# KiCad board board.kicad_pcb (continued)
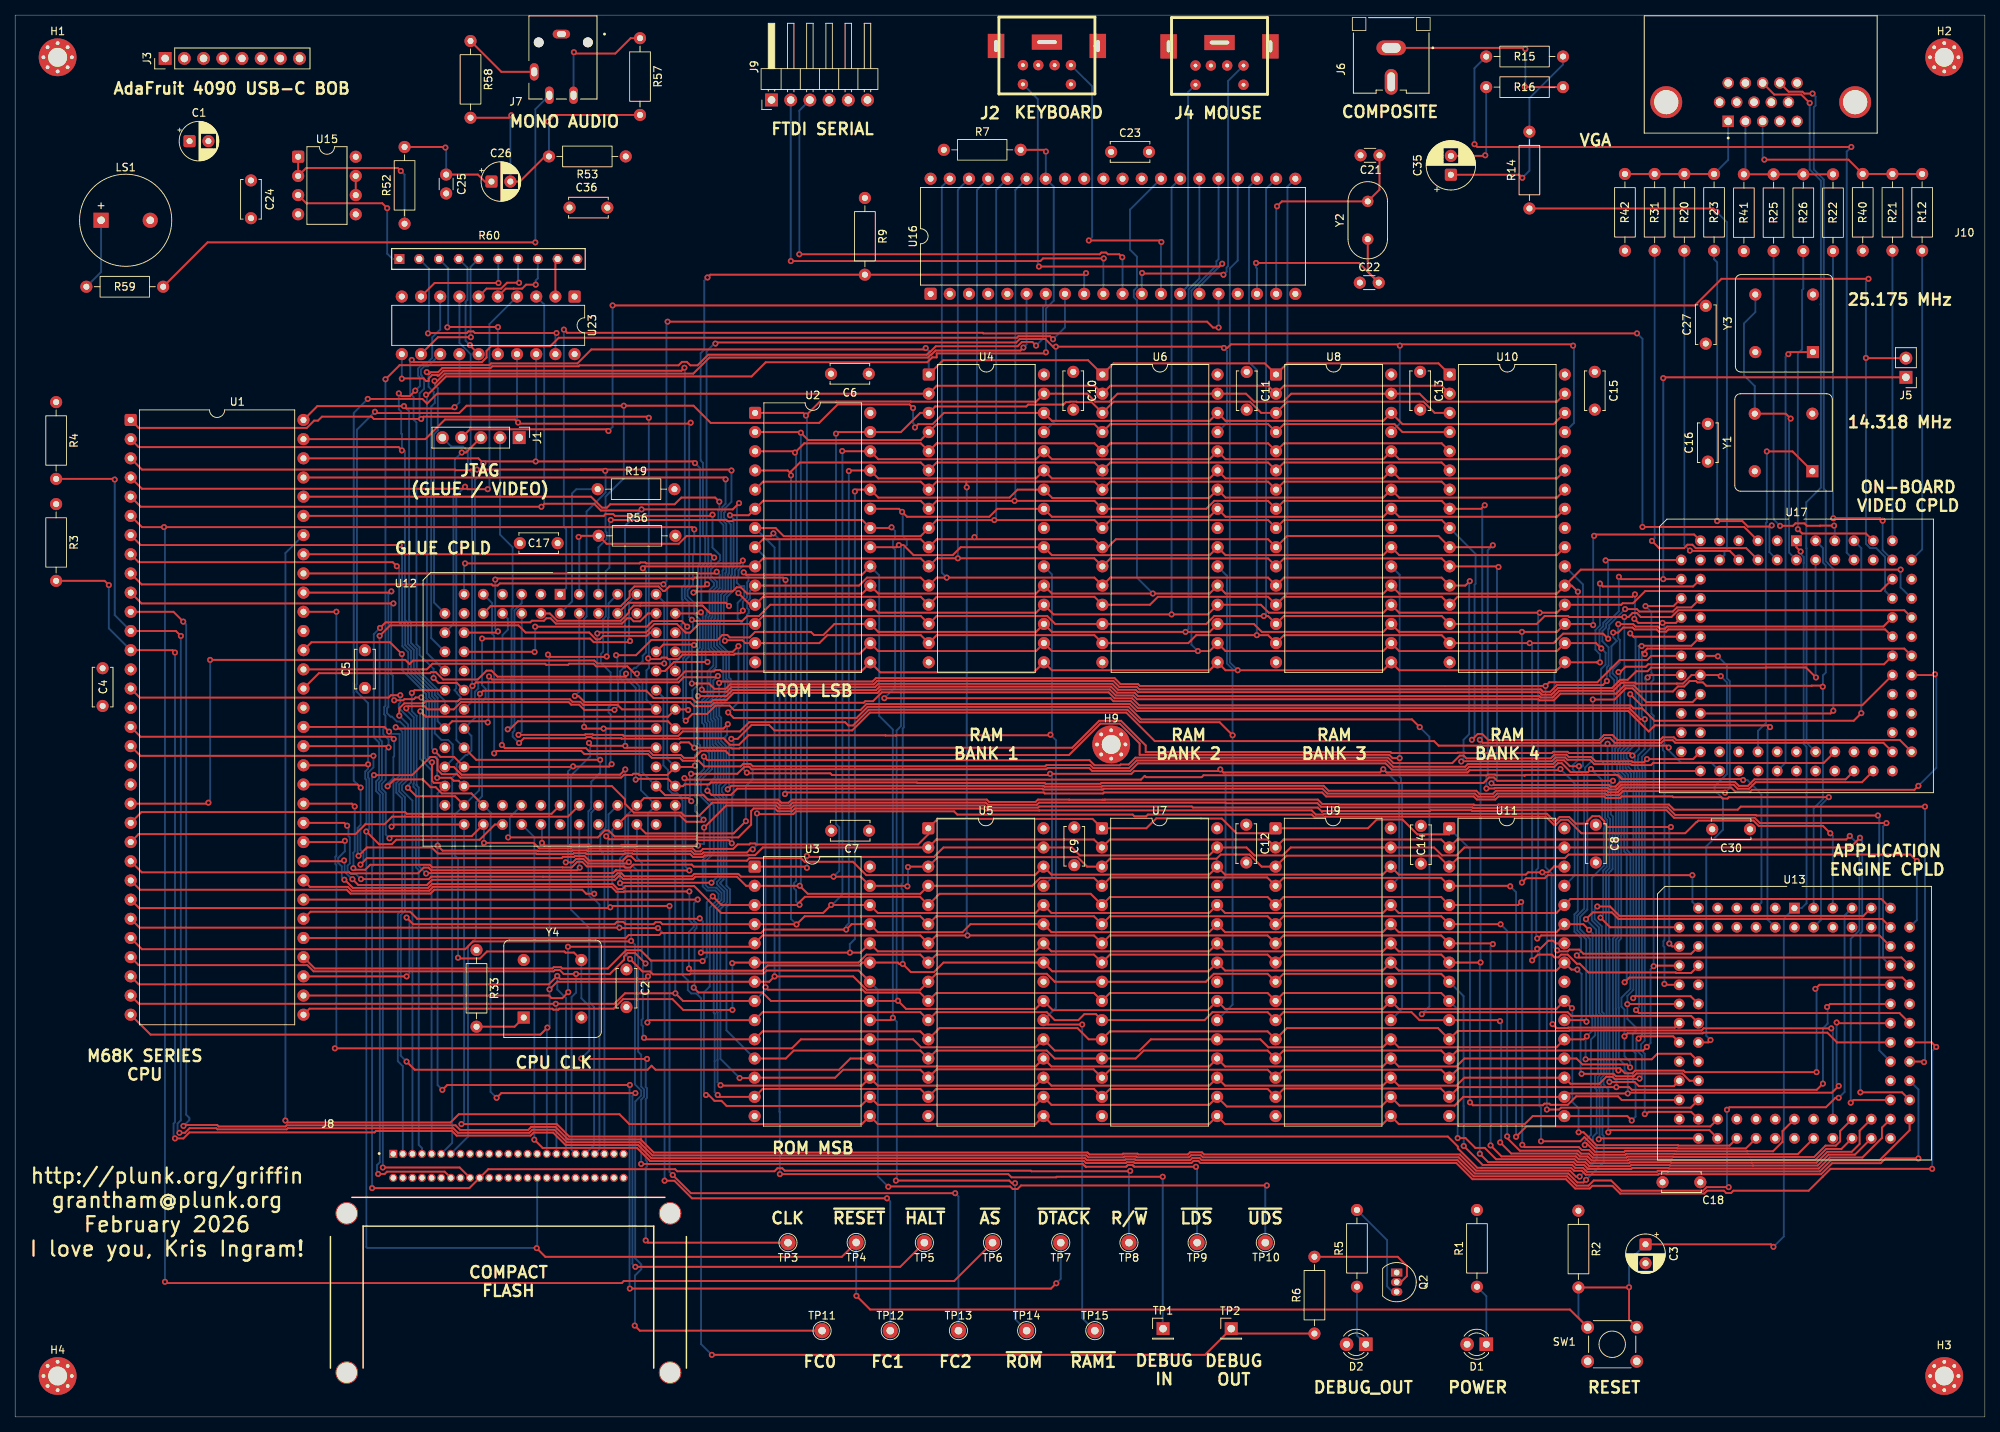
[diagram p0: board, top side]
## Footprints (pads in the part's own frame, mm; a bottom-side part is the same pattern mirrored in y, then rotated) (continued)
R_Axial_DIN0207_L6.3mm_D2.5mm_P10.16mm_Horizontal
  round 1.6 hole 0.8: 1(0,0) 2(10.16,0)
Resonator-2Pin_W10.0mm_H5.0mm
  round 1.5 hole 0.8: 1(0,0) 2(5,0)
SAMESKY_SJ3-35063B
  round 1.3 hole 1.3 unplated: (-3.5,1.1) (3,1.1)
  oval 2.3x1.15 hole 1.2x0.8: 1(0,0)
  oval 1.15x2.3 hole 0.8x1.2: 2(-1.6,8.1) 3(3.6,5) 4(1.6,8.1)
SAMTEC_CFT-125-01-L-D-RA-01-SL
  rect 1.061x1.061 hole 0.711: 01(-15.24,7.874)
  round 1.061 hole 0.711: 02(-13.97,7.874) 03(-12.7,7.874) 04(-11.43,7.874) 05(-10.16,7.874) 06(-8.89,7.874) 07(-7.62,7.874) 08(-6.35,7.874) 09(-5.08,7.874) 10(-3.81,7.874) 11(-2.54,7.874) 12(-1.27,7.874) 13(0,7.874) 14(1.27,7.874) 15(2.54,7.874) 16(3.81,7.874) 17(5.08,7.874) 18(6.35,7.874) 19(7.62,7.874) 20(8.89,7.874) 21(10.16,7.874) 22(11.43,7.874) 23(12.7,7.874) 24(13.97,7.874) 25(15.24,7.874) 26(-15.24,4.699) 27(-13.97,4.699) 28(-12.7,4.699) 29(-11.43,4.699) 30(-10.16,4.699) 31(-8.89,4.699) 32(-7.62,4.699) 33(-6.35,4.699) 34(-5.08,4.699) 35(-3.81,4.699) 36(-2.54,4.699) 37(-1.27,4.699) 38(0,4.699) 39(1.27,4.699) 40(2.54,4.699) 41(3.81,4.699) 42(5.08,4.699) 43(6.35,4.699) 44(7.62,4.699) 45(8.89,4.699) 46(10.16,4.699) 47(11.43,4.699) 48(12.7,4.699) 49(13.97,4.699) 50(15.24,4.699)
  round 2.972 hole 2.692: S1(-21.387,0) S2(21.387,0) S3(-21.387,-21.082) S4(21.387,-21.082)
SW_TH_Tactile_Omron_B3F-106x
  round 1.7 hole 1: 1(0,0) 1(6.5,0) 2(0,-4.5) 2(6.5,-4.5)
TestPoint_THTPad_D2.0mm_Drill1.0mm
  round 2 hole 1: 1(0,0)
TO-92_Inline
  rect 1.05x1.5 hole 0.75: 1(0,0)
  oval 1.05x1.5 hole 0.75: 2(1.27,0) 3(2.54,0)

## Nets
+5V: C1.1 C2.1 C4.1 C5.1 C6.1 C7.1 C8.1 C9.1 C10.1 C11.1 C12.1 C13.1 C14.1 C15.1 C16.1 C17.1 C18.1 C23.1 C24.1 C27.1 C30.1 C36.1 D1.2 D2.2 J2.4 J3.7 J4.4 J8.13 J8.36 J8.38 R2.1 R3.1 R4.1 R7.1 R9.1 R33.1 U1.14 U1.49 U2.28 U3.28 U4.32 U5.32 U6.32 U7.32 U8.32 U9.32 U10.32 U11.32 U12.3 U12.13 U12.26 U12.38 U12.43 U12.53 U12.66 U12.78 U13.3 U13.13 U13.26 U13.38 U13.43 U13.53 U13.66 U13.78 U15.8 U16.31 U16.40 U17.3 U17.13 U17.26 U17.38 U17.43 U17.53 U17.66 U17.78 U23.20 Y1.8 Y3.8 Y4.8
GND: C1.2 C2.2 C3.2 C4.2 C5.2 C6.2 C7.2 C8.2 C9.2 C10.2 C11.2 C12.2 C13.2 C14.2 C15.2 C16.2 C17.2 C18.2 C21.2 C22.1 C23.2 C24.2 C25.2 C27.2 C30.2 C36.2 H1.1 H2.1 H3.1 H4.1 H9.1 J1.1 J2.3 J2.7 J3.8 J4.3 J4.7 J6.2 J7.1 J8.01 J8.08 J8.09 J8.10 J8.11 J8.12 J8.14 J8.15 J8.16 J8.39 J8.50 J9.6 J10.5 J10.6 J10.7 J10.8 J10.10 J10.S1 J10.S2 LS1.2 Q2.1 R1.2 R19.2 R40.1 R41.1 R42.1 R53.1 R56.2 R60.10 SW1.1 U1.16 U1.53 U2.14 U3.14 U4.16 U4.24 U5.16 U5.24 U6.16 U6.24 U7.16 U7.24 U8.16 U8.24 U9.16 U9.24 U10.16 U10.24 U11.16 U11.24 U12.7 U12.19 U12.32 U12.42 U12.47 U12.59 U12.72 U12.82 U13.7 U13.19 U13.32 U13.42 U13.47 U13.59 U13.72 U13.82 U15.4 U15.5 U16.20 U17.7 U17.19 U17.32 U17.42 U17.47 U17.59 U17.72 U17.82 U23.1 U23.10 Y1.4 Y3.4 Y4.4
A1: J8.20 U1.29 U2.10 U3.10 U4.12 U5.12 U6.12 U7.12 U8.12 U9.12 U10.12 U11.12 U12.51 U13.48 U16.39 U17.48
A2: J8.19 U1.30 U2.9 U3.9 U4.11 U5.11 U6.11 U7.11 U8.11 U9.11 U10.11 U11.11 U12.55 U13.49 U16.38 U17.49
A3: J8.18 U1.31 U2.8 U3.8 U4.10 U5.10 U6.10 U7.10 U8.10 U9.10 U10.10 U11.10 U12.54 U13.51 U16.37 U17.51
A4: J8.17 U1.32 U2.7 U3.7 U4.9 U5.9 U6.9 U7.9 U8.9 U9.9 U10.9 U11.9 U12.79 U13.54 U16.36 U17.54
A5: U1.33 U2.6 U3.6 U4.8 U5.8 U6.8 U7.8 U8.8 U9.8 U10.8 U11.8 U12.80 U13.55 U16.35 U17.55
A6: U1.34 U2.5 U3.5 U4.7 U5.7 U6.7 U7.7 U8.7 U9.7 U10.7 U11.7 U13.52
A7: U1.35 U2.4 U3.4 U4.6 U5.6 U6.6 U7.6 U8.6 U9.6 U10.6 U11.6 U13.50
A8: U1.36 U2.3 U3.3 U4.5 U5.5 U6.5 U7.5 U8.5 U9.5 U10.5 U11.5 U13.45
A9: U1.37 U2.25 U3.25 U4.27 U5.27 U6.27 U7.27 U8.27 U9.27 U10.27 U11.27 U13.44
A10: U1.38 U2.24 U3.24 U4.26 U5.26 U6.26 U7.26 U8.26 U9.26 U10.26 U11.26 U13.39
A11: U1.39 U2.21 U3.21 U4.23 U5.23 U6.23 U7.23 U8.23 U9.23 U10.23 U11.23 U13.37
A12: U1.40 U2.23 U3.23 U4.25 U5.25 U6.25 U7.25 U8.25 U9.25 U10.25 U11.25 U13.29
A13: U1.41 U2.2 U3.2 U4.4 U5.4 U6.4 U7.4 U8.4 U9.4 U10.4 U11.4 U13.36
A14: U1.42 U2.26 U3.26 U4.28 U5.28 U6.28 U7.28 U8.28 U9.28 U10.28 U11.28 U13.75
A15: U1.43 U2.27 U3.27 U4.3 U5.3 U6.3 U7.3 U8.3 U9.3 U10.3 U11.3 U13.74
A16: U1.44 U2.1 U3.1 U4.31 U5.31 U6.31 U7.31 U8.31 U9.31 U10.31 U11.31 U13.56
A17: U1.45 U4.2 U5.2 U6.2 U7.2 U8.2 U9.2 U10.2 U11.2 U13.57
A18: U1.46 U4.30 U5.30 U6.30 U7.30 U8.30 U9.30 U10.30 U11.30 U12.81 U13.31
A19: U1.47 U4.1 U5.1 U6.1 U7.1 U8.1 U9.1 U10.1 U11.1 U12.35 U13.30
A20: U1.48 U12.33 U13.58
A21: U1.50 U12.56 U13.28
A22: U1.51 U12.57 U13.60
A23: U1.52 U12.31 U13.61
AUDIO0: R60.9 U23.2
AUDIO1: R60.8 U23.5
AUDIO2: R60.7 U23.6
AUDIO3: R60.6 U23.9
AUDIO4: R60.5 U23.12
AUDIO5: R60.4 U23.15
AUDIO6: R60.3 U23.16
AUDIO7: R60.2 U23.19
AUDIO_LE: U12.68 U23.11
CPST_CLK_ENB: U17.40 Y1.1
CPST_PIXEL: R15.1 U17.80
D0: J8.21 U1.5 U2.11 U4.13 U6.13 U8.13 U10.13 U12.61 U13.18 U16.21 U17.18 U23.3
D1: J8.22 U1.4 U2.12 U4.14 U6.14 U8.14 U10.14 U12.27 U13.68 U16.22 U17.68 U23.4
D2: J8.23 U1.3 U2.13 U4.15 U6.15 U8.15 U10.15 U12.63 U13.17 U16.23 U17.17 U23.7
D3: J8.02 U1.2 U2.15 U4.17 U6.17 U8.17 U10.17 U12.24 U13.15 U16.24 U17.15 U23.8
D4: J8.03 U1.1 U2.16 U4.18 U6.18 U8.18 U10.18 U12.65 U13.12 U16.25 U17.12 U23.13
D5: J8.04 U1.64 U2.17 U4.19 U6.19 U8.19 U10.19 U12.22 U13.11 U16.26 U17.11 U23.14
D6: J8.05 U1.63 U2.18 U4.20 U6.20 U8.20 U10.20 U12.64 U13.73 U16.27 U17.73 U23.17
D7: J8.06 U1.62 U2.19 U4.21 U6.21 U8.21 U10.21 U12.25 U13.70 U16.28 U17.70 U23.18
D8: U1.61 U3.11 U5.13 U7.13 U9.13 U11.13 U13.16 U17.16
D9: U1.60 U3.12 U5.14 U7.14 U9.14 U11.14 U13.69 U17.69
D10: U1.59 U3.13 U5.15 U7.15 U9.15 U11.15 U13.67 U17.67
D11: U1.58 U3.15 U5.17 U7.17 U9.17 U11.17 U13.20 U17.20
D12: U1.57 U3.16 U5.18 U7.18 U9.18 U11.18 U13.65 U17.65
D13: U1.56 U3.17 U5.19 U7.19 U9.19 U11.19 U13.24 U17.24
D14: U1.55 U3.18 U5.20 U7.20 U9.20 U11.20 U13.63 U17.63
D15: U1.54 U3.19 U5.21 U7.21 U9.21 U11.21 U13.27 U17.27
DEBUG_IN: R56.1 TP1.1 U12.83
DEBUG_OUT: R6.1 TP2.1 U12.67
ENGINE_TCK: U12.39 U13.62
ENGINE_TDI: U12.40 U13.14
ENGINE_TDO: U12.41 U13.71
ENGINE_TMS: U12.70 U13.23
FC0: TP11.1 U1.28 U12.52 U13.33 U17.33
FC1: TP12.1 U1.27 U12.49 U13.34 U17.34
FC2: TP13.1 U1.26 U12.50 U13.35 U17.35
IO_RESET: R9.2 U12.69 U16.9
JTAG_TCK: J1.2 U12.62 U17.62
JTAG_TDI: J1.3 U12.14
JTAG_TDO: J1.4 J5.2 U17.71
JTAG_TMS: J1.5 U12.23 U17.23
KBD_CLK: J2.5 U16.13
KBD_DATA: J2.1 U16.15
MOUSE_CLK: J4.5 U16.12
MOUSE_DATA: J4.1 U16.14
PIXEL_CLK: U17.2 Y1.5 Y3.5
R/~{W}: J8.35 TP8.1 U1.9 U12.58 U13.25 U16.16 U17.25
S2: J8.S2
S3: J8.S3
S4: J8.S4
SYSCLK: TP3.1 U1.15 U12.34 U13.83 U17.83 Y4.5
UART_RX: J9.3 U16.11
UART_TX: J9.2 U16.10
VGA_B0: R12.2 U17.74
VGA_B1: R21.2 U17.75
VGA_BLUE: J10.3 R12.1 R21.1 R40.2
VGA_CLK_ENB: U17.41 Y3.1
VGA_G0: R22.2 U17.76
VGA_G1: R26.2 U17.77
VGA_G2: R25.2 U17.81
VGA_GREEN: J10.2 R22.1 R25.1 R26.1 R41.2
VGA_HSYNC: J10.13 U17.46
VGA_R0: R23.2 U17.4
VGA_R1: R20.2 U17.8
VGA_R2: R31.2 U17.6
VGA_RED: J10.1 R20.1 R23.1 R31.1 R42.2
VGA_VSYNC: J10.14 U17.29
VIDEO_STALL: U12.84 U17.79
VIDEO_TDI: J5.1 U12.71 U17.14
~{AS}: TP6.1 U1.6 U12.60 U13.21 U17.21
~{BERR}: U1.22 U12.44
~{BGACK}: R4.2 U1.12 U13.77
~{BG}: U1.11 U13.76
~{BR}: R3.2 U1.13 U13.79
~{CF_CS0}: J8.32 U12.76
~{CF_CS1}: J8.07 U12.77
~{CPST_SYNC}: R14.1 U17.10
~{DTACK}: TP7.1 U1.10 U12.30 U13.81
~{ENGINE_DTACK}: U12.17 U13.4
~{ENGINE_IRQ}: U12.20 U13.5
~{ENGINE_SELECT}: U12.15 U13.84
~{HALT}: TP5.1 U1.17 U12.36
~{IO_DTACK_MISO}: U12.16 U16.7
~{IO_IACK_SCK}: U12.21 U16.8
~{IO_IRQ}: R7.2 U12.18 U16.34
~{IO_SELECT_MOSI}: U12.12 U16.6
~{IPL0}: U1.25 U12.48
~{IPL1}: U1.24 U12.45
~{IPL2}: U1.23 U12.46
~{LDS}: TP9.1 U1.8 U2.22 U12.29 U13.64 U17.64
~{RAM_SELECT_1}: TP15.1 U4.22 U5.22 U12.5
~{RAM_SELECT_2}: U6.22 U7.22 U12.6
~{RAM_SELECT_3}: U8.22 U9.22 U12.8
~{RAM_SELECT_4}: U10.22 U11.22 U12.9
~{RESET}: C3.1 J8.41 R2.2 SW1.2 TP4.1 U1.18 U12.37 U13.1 U17.1
~{ROM_SELECT}: TP14.1 U2.20 U3.20 U12.4
~{R}/W: J8.34 U12.73
~{UDS}: TP10.1 U1.7 U3.22 U12.28 U13.22 U17.22
~{VIDEO_IRQ}: U12.1 U17.5
~{VIDEO_SELECT}: U12.74 U17.84
~{VPA}: U1.21 U12.75
~{WRITE_HI}: U5.29 U7.29 U9.29 U11.29 U12.11
~{WRITE_LO}: U4.29 U6.29 U8.29 U10.29 U12.10
Net-(C25-Pad1): C25.1 C26.1 R52.2
Net-(C26-Pad2): C26.2 R53.2 R57.2 R58.2
Net-(C35-Pad1): C35.1 R14.2 R15.2
Net-(C35-Pad2): C35.2 R16.1
Net-(D1-K): D1.1 R1.1
Net-(D2-K): D2.1 R5.1
Net-(J6-In): J6.1 R16.2
Net-(J7-Pad2): J7.2 R57.1
Net-(J7-Pad3): J7.3 R58.1
Net-(J7-Pad4): J7.4 R59.2
Net-(LS1-Pad1): LS1.1 R59.1
Net-(Q2-B): Q2.2 R6.2
Net-(Q2-C): Q2.3 R5.2
Net-(U12-INPUT/OE2/GCLK2): R19.1 U12.2
Net-(U15A-+): R60.1 U15.3
Net-(U15A--): R52.1 U15.1 U15.2
Net-(U15B--): U15.6 U15.7
Net-(U16-XTAL1): C21.1 U16.19 Y2.2
Net-(U16-XTAL2): C22.2 U16.18 Y2.1
Net-(Y4-EN): R33.2 Y4.1

Pads without a net: J2 2 6; J3 1 2 3 4 5 6; J4 2 6; J8 24 25 26 27 28 29 30 31 33 37 40 42 43 44 45 46 47 48 49 S1; J9 1 4 5; J10 4 9 11 12 15; U1 19 20; U13 2 6 8 9 10 40 41 46 80; U16 1 2 3 4 5 17 29 30 32 33; U17 9 28 30 31 36 37 39 44 45 50 52 56 57 58 60 61

## Via types
v1: diameter 0.8, hole 0.4, Top to Bottom, 532 vias

## Routing (per net, layer and track width the routed paths; a pad name or vN(x,y) marks a point on that pad's centre or on a via; arc(x,y) is an arc through that point)
+5V: length 28.8
  In2.Cu w0.4: U17.43 231.7,81.54 229.45,81.54 229.47,81.56 229.47,86.62 U17.38 ; 246.4,104.47 249.73,104.47 U17.66 ; 219.15,112.17 221.69,112.17 U17.13 224.12,114.61 224.12,117.42
GND: length 122.5
  In1.Cu w0.25: U13.47 238.87,35.27 234.12,35.27 234.12,38.16 U13.42 ; 68.3,76.74 68.3,79.71 U12.42 70.9,79.62 70.9,76.94 ; U17.42 234.4,86.77 239.49,86.77 U17.47 ; U13.19 221.46,58.44 205.81,58.44 U11.24 ; U17.32 218.48,90 218.48,103.42 219.68,104.62 221.75,104.62 U17.19 ; U13.7 224.52,70.62 C30.2 ; U17.7 228.93,115.11 228.93,114.92 229.23,114.62 229.23,111.94 230.05,111.12 233.9,111.12 234.23,111.44 238.74,111.44 U17.82 ; U13.82 241.79,63.52 249.41,63.52 U13.72 ; 65.78,105.49 65.78,107.61 U12.7 63.22,107.65 63.22,105.39 ; 78.38,110.06 78.38,107.56 U12.82
A1: length 573.5
  Top w0.25: U1.29 16.34,59.81 38.67,59.81 39.49,58.99 71.24,58.99 71.41,59.16 72.05,59.16 72.56,58.64 v1(74.21,58.64) 78.68,58.64 80.57,60.53 80.57,60.95 81.02,61.4 82.03,61.4 v1(83.4,60.03) ; v1(83.2,50.19) 83.41,49.99 U3.10 98.89,51.04 119.76,51.04 U5.12 122.3,51.47 140.55,51.47 142.03,49.99 U7.12 144.84,51.04 165.7,51.04 U9.12 168.24,51.47 188.24,51.47 U11.12 190.84,51.09 205.56,51.09 205.62,51.16 223.1,51.16 223.39,51.44 v1(240.27,51.44) ; v1(96.68,78.87) 95.05,77.24 83.44,77.24 U12.51 ; v1(191.32,86.77) 191.36,86.8 203.32,86.8 203.81,87.29 205.07,87.29 205.38,86.99 208.35,86.99 208.93,86.41 213.73,86.41 213.86,86.29 216.43,86.29 216.7,86.56 239.26,86.56 U17.48 ; U2.10 111.65,110.06 112.7,111.11 119.82,111.11 U4.12 121.93,111.11 v1(123.25,111.11) 142.79,111.11 U6.12 144.9,111.11 165.76,111.11 U8.12 167.87,111.11 188.74,111.11 U10.12 191.87,110.06 v1(192.45,110.64)
  Bottom w0.25: U13.48 240.49,51.23 v1(240.27,51.44) ; v1(96.68,78.87) 96.68,83.51 97.57,84.41 97.57,85.61 96.85,86.34 96.85,106.21 97.05,106.42 97.05,106.87 96.85,107.08 96.85,107.95 97.22,108.33 97.22,109.38 U2.10 ; U16.39 122.6,162.86 122.6,111.76 v1(123.25,111.11) ; U12.51 82.26,74.03 82.93,73.36 82.93,60.5 v1(83.4,60.03) 83.05,59.68 83.05,52.71 82.88,52.54 82.88,51.89 83.05,51.72 83.05,50.34 v1(83.2,50.19) ; v1(191.32,86.77) 191.62,87.07 191.62,89.63 192.38,90.38 192.38,110.56 v1(192.45,110.64) ; J8.20 73.62,35.35 73.62,55.57 74.21,56.16 v1(74.21,58.64)
A2: length 585.4
  Top w0.25: U17.49 242.18,84.4 230.11,84.4 229.24,83.53 228.05,83.53 227.52,84.06 212.33,84.06 211.71,83.44 211.07,83.44 210.86,83.65 195.55,83.65 v1(195.32,83.88) ; v1(196.25,112.52) 196.17,112.59 U10.11 188.74,113.65 167.87,113.65 U8.11 165.76,113.65 144.9,113.65 U6.11 142.78,113.67 v1(124.72,113.67) 121.94,113.67 U4.11 119.82,113.65 98.95,113.65 97.9,112.59 83.31,112.59 v1(83.05,112.34) ; v1(83.65,52.22) 83.96,52.53 U3.9 98.89,53.58 119.76,53.58 U5.11 121.87,53.58 136.49,53.58 137.54,52.53 140.66,52.53 141.46,53.32 142.99,53.32 U7.11 157.36,52.53 158.41,53.58 165.7,53.58 U9.11 167.81,53.58 184.74,53.58 185.8,52.53 U11.11 196.31,52.53 v1(196.45,52.39) ; v1(83.72,58.31) 83.39,57.98 72.13,57.98 v1(71.73,58.38) 70.61,57.27 16.34,57.27 U1.30 ; U13.49 241.62,35.47 239.61,35.47 238.17,34.03 229.61,34.03 229.61,34.03 219.25,34.03 219.2,34.08 213.48,34.08 213.36,33.95 208.57,33.95 208.05,34.47 207.03,34.47 206.64,34.86 197.95,34.86 v1(196.47,36.34)
  Bottom w0.25: v1(71.73,58.38) 71.73,56.59 72.88,55.43 J8.19 ; U16.38 124.72,162.44 v1(124.72,113.67) ; v1(195.32,83.88) 196.05,84.61 196.05,112.31 v1(196.25,112.52) ; v1(83.05,112.34) 83.46,111.93 83.46,101.19 83.02,100.76 83.02,100.05 82.14,99.17 81.95,99.17 81.49,98.72 81.49,97.83 82.6,96.72 82.6,84.96 82.8,84.76 82.8,82.96 84.8,80.97 83.72,79.89 83.72,60.8 84.18,60.35 84.18,58.77 v1(83.72,58.31) 83.72,52.29 v1(83.65,52.22) ; v1(196.47,36.34) 196.6,36.46 196.6,52.24 v1(196.45,52.39)
A3: length 595.3
  Top w0.25: v1(194.65,83.19) 195.69,83.19 195.77,83.27 210.7,83.27 210.91,83.06 211.87,83.06 212.49,83.69 227.37,83.69 227.9,83.16 229.4,83.16 230.27,84.03 244.35,84.03 U17.51 ; U13.51 243.4,34.72 239.92,34.72 238.48,33.28 229.92,33.28 229.92,33.27 218.94,33.27 218.89,33.33 213.8,33.33 213.67,33.2 208.26,33.2 207.74,33.72 206.71,33.72 206.32,34.11 195.93,34.11 194.43,35.61 193.18,35.61 191.88,36.92 v1(190.85,36.92) ; U1.31 16.38,54.69 v1(71.53,54.69) 79.29,54.69 80.69,56.08 v1(87.35,56.08) 88.36,55.06 U3.8 ; v1(195.5,115.39) 195.25,115.14 U10.10 188.3,116.62 168.3,116.62 U8.10 165.76,116.19 145.62,116.19 144.57,115.14 U6.10 142.79,116.19 121.93,116.19 U4.10 119.82,116.19 98.95,116.19 U2.8 ; U11.10 188.68,56.12 167.81,56.12 U9.10 165.7,56.12 144.84,56.12 U7.10 142.73,56.12 121.87,56.12 U5.10 119.7,56.18 112.49,56.18 112.11,56.55 99.61,56.55 v1(99.27,56.89)
  Bottom w0.25: v1(71.53,54.69) 71.61,54.6 J8.18 ; U2.8 99.27,113.77 v1(99.27,56.89) 99.27,56.5 U3.8 ; U11.10 190.85,53.95 v1(190.85,36.92) ; v1(87.35,56.08) 87.34,56.09 U12.54 ; v1(194.65,83.19) 194.65,84.85 194.82,85.03 194.82,114.72 v1(195.5,115.39) ; v1(126.93,116.47) 127.25,116.79 127.25,162.43 U16.37
A4: length 641.7
  Top w0.25: v1(70.7,56.59) 71.72,57.61 99.76,57.61 v1(100.47,58.31) 110.88,58.31 112.64,56.55 119.76,56.55 U5.9 121.87,58.66 136.49,58.66 137.54,57.61 U7.9 157.54,57.61 158.59,58.66 165.7,58.66 U9.9 167.81,58.66 188.68,58.66 U11.9 ; U13.54 250.64,37.95 246.66,33.97 240.24,33.97 238.77,32.5 218.65,32.5 218.58,32.57 217.33,32.57 217.2,32.45 207.94,32.45 207.42,32.96 206.4,32.96 206.01,33.35 194.16,33.35 v1(191.65,35.87) ; U10.9 188.74,118.73 167.87,118.73 U8.9 165.76,118.73 144.9,118.73 U6.9 142.79,118.73 v1(129.55,118.73) 121.93,118.73 U4.9 119.79,116.59 101.7,116.59 100.61,117.68 U2.7 ; U17.54 249.33,89.62 219.8,89.62 219.45,89.96 217.98,89.96 217.64,89.62 211.97,89.62 211.33,90.26 210.2,90.26 209.55,89.62 194.89,89.62 194.1,90.42 193.51,90.42 v1(192.73,89.64) ; v1(70.43,51.54) 69.49,50.61 17.92,50.61 U1.32 ; v1(70.49,100.92) 70.79,100.62 78.21,100.62 v1(78.26,100.67)
  Bottom w0.25: v1(100.47,58.31) 100.47,115.1 U2.7 ; v1(191.65,35.87) 191.65,41.12 191.62,41.14 191.62,55.71 U11.9 ; U10.9 193.23,114.24 193.23,110.32 193.09,110.18 193.09,90 v1(192.73,89.64) ; U16.36 129.79,162.43 129.79,118.97 v1(129.55,118.73) ; J8.17 70.34,51.46 v1(70.43,51.54) 70.7,51.81 v1(70.7,56.59) 70.7,75.5 70.65,75.55 70.65,100.76 v1(70.49,100.92) ; v1(78.26,100.67) 78.45,100.85 78.45,105.74 78.52,105.81 78.52,107.71 U12.79
A5: length 543.4
  Top w0.25: U17.55 247.17,89.24 219.64,89.24 219.3,89.59 218.14,89.59 217.8,89.24 211.64,89.24 211,89.89 210.35,89.89 209.71,89.24 194.17,89.24 v1(193.78,89.64) ; U13.55 246.98,38.3 246.98,36.93 244.39,34.34 240.08,34.34 238.62,32.88 218.81,32.88 218.73,32.95 213.95,32.95 213.83,32.82 208.1,32.82 207.58,33.34 206.56,33.34 206.17,33.73 194.88,33.73 v1(193.78,34.84) ; v1(94.9,53.88) 88.39,53.88 86.97,55.3 80.44,55.3 79.18,54.04 71.97,54.04 71.85,53.91 71.2,53.91 71.08,54.04 38.95,54.04 U1.33 ; v1(94.88,60.06) 94.96,60.15 U3.6 111.59,60.15 112.64,61.2 119.76,61.2 U5.8 121.87,61.2 142.73,61.2 U7.8 144.84,61.2 165.7,61.2 U9.8 167.81,61.2 188.68,61.2 U11.8 193.86,60.15 v1(193.88,60.17) ; v1(94.57,119.37) 97.05,119.37 98.95,121.27 119.82,121.27 U4.8 121.93,121.27 v1(132.22,121.27) 142.79,121.27 U6.8 157.6,120.22 158.65,121.27 165.76,121.27 U8.8 167.87,121.27 188.74,121.27 U10.8 193.95,120.22 v1(194.43,120.69) ; v1(94.44,107.36) 94.02,107.78 82.85,107.78 82.85,107.78 81.13,107.78 U12.80
  Bottom w0.25: v1(94.88,60.06) 94.9,60.04 v1(94.9,53.88) ; v1(94.57,119.37) 95.05,118.88 95.05,112.5 94.84,112.3 94.84,111.52 94.72,111.4 94.72,109.1 94.15,108.53 94.15,107.65 v1(94.44,107.36) ; v1(193.77,34.84) 193.77,60.06 v1(193.88,60.17) 193.88,89.54 v1(193.78,89.64) 194.1,89.96 194.1,120.37 v1(194.43,120.69) ; v1(132.22,121.27) 132.33,121.37 132.33,162.43 U16.35
A6: length 404.1
  Top w0.25: U3.5 98.89,63.74 119.76,63.74 U5.7 121.87,63.74 v1(126,63.74) 142.73,63.74 U7.7 144.84,63.74 165.7,63.74 U9.7 167.81,63.74 188.68,63.74 U11.7 195.4,62.69 v1(195.5,62.59) ; 125.85,123.81 142.78,123.81 U6.7 144.9,123.81 165.76,123.81 U8.7 167.88,123.81 188.73,123.81 U10.7 ; 125.85,123.81 125.85,123.12 v1(125.9,123.06) ; 125.85,123.81 121.93,123.81 U4.7 119.82,123.81 98.95,123.81 97.9,122.75 ; v1(73.18,56.23) 72.39,55.44 70.97,55.44 70.63,55.78 U1.34 ; v1(195.2,35.94) 196.65,34.49 206.48,34.49 206.87,34.1 207.89,34.1 208.41,33.58 213.51,33.58 213.64,33.7 219.05,33.7 219.1,33.65 229.77,33.65 229.77,33.65 238.33,33.65 239.77,35.1 242.98,35.1 244.02,36.14 244.02,37.88 U13.52 ; 97.4,62.24 v1(73.14,62.24)
  Bottom w0.25: v1(125.9,123.06) 125.9,63.84 v1(126,63.74) ; v1(73.18,56.23) 73.14,56.28 v1(73.14,62.24) ; v1(195.2,35.94) 195.2,62.29 v1(195.5,62.59)
A7: length 405.3
  Top w0.25: U10.6 188.74,126.35 167.87,126.35 U8.6 165.76,126.35 144.9,126.35 U6.6 142.79,126.35 121.93,126.35 U4.6 119.82,126.35 103.83,126.35 102.65,125.17 v1(102.65,124.64) 102.65,124.87 102.22,125.3 U2.4 ; v1(51.79,58.31) 51.78,58.32 U1.35 ; v1(196.52,65.22) 196.51,65.23 U11.6 188.68,66.28 167.81,66.28 U9.6 165.7,66.28 144.84,66.28 U7.6 142.73,66.28 121.87,66.28 U5.6 119.76,66.28 104.46,66.28 v1(103.38,65.19) 103.34,65.23 85.64,65.23 85.37,65.49 84.73,65.49 84.46,65.23 80.76,65.23 80.45,65.54 79.63,65.54 79.31,65.23 52.67,65.23 v1(51.79,66.1) ; U13.50 241.45,37.84 241.45,36.48 240.88,35.92 239.52,35.92 238.01,34.41 229.46,34.41 229.45,34.41 219.41,34.41 219.36,34.46 213.33,34.46 213.2,34.33 208.72,34.33 208.21,34.85 207.18,34.85 206.79,35.24 199.08,35.24 197.4,36.92 v1(197.4,37.14)
  Bottom w0.25: v1(197.4,37.14) 197.4,64.34 v1(196.52,65.22) ; v1(102.65,124.64) 102.65,70.79 102.65,70.79 102.65,69.84 102.65,69.84 102.65,65.92 v1(103.38,65.19) ; v1(51.79,66.1) 52.17,65.72 52.17,58.7 v1(51.79,58.31)
A8: length 404.1
  Top w0.25: v1(199.25,68.17) 198.85,67.77 U11.5 188.68,68.82 167.81,68.82 U9.5 165.7,68.82 144.84,68.82 U7.5 142.3,69.25 122.3,69.25 U5.5 119.72,68.86 104.49,68.86 103.78,68.14 v1(103.78,67.79) 103.75,67.77 93.44,67.77 v1(92.3,68.91) ; U2.3 103,127.84 v1(103.18,127.67) 104.4,128.89 119.82,128.89 U4.5 121.93,128.89 142.79,128.89 U6.5 144.9,128.89 165.76,128.89 U8.5 167.87,128.89 188.74,128.89 U10.5 ; v1(199.4,36.02) 199.7,35.72 206.88,35.72 207.26,35.34 208.25,35.34 208.88,34.71 213.04,34.71 213.17,34.84 219.51,34.84 219.57,34.78 229.3,34.78 229.3,34.79 235.85,34.79 U13.45 ; v1(90.95,60.34) 90.88,60.42 84.11,60.42 82.75,61.78 80.83,61.78 78.42,59.36 72.37,59.36 72.21,59.53 71.25,59.53 71.08,59.36 39.65,59.36 U1.36
  Bottom w0.25: v1(199.4,36.02) 199.4,68.02 v1(199.25,68.17) ; v1(90.95,60.34) 91.5,60.89 91.5,68.12 v1(92.3,68.91) ; v1(103.78,67.79) 103.32,68.24 103.32,69.69 103.03,69.99 103.03,70.64 103.32,70.94 103.32,127.52 v1(103.18,127.67)
A9: length 394.1
  Top w0.25: 205.03,125.3 203.98,124.24 183.11,124.24 U8.27 181,124.24 160.14,124.24 U6.27 158.03,124.24 137.17,124.24 U4.27 135.06,124.24 114.19,124.24 U2.25 110.38,125.3 v1(110.3,125.22) ; v1(207.66,36) 207.89,36.23 209.04,35.08 212.89,35.08 213.02,35.21 219.67,35.21 219.72,35.16 229.14,35.16 229.14,35.16 232.57,35.16 233.83,36.42 233.83,37.84 U13.44 ; v1(208.23,64.47) 207.48,65.23 U11.27 203.92,64.17 183.05,64.17 U9.27 180.94,64.17 160.08,64.17 U7.27 157.97,64.17 137.11,64.17 U5.27 126.39,65.23 125.33,64.17 114.14,64.17 113.08,65.23 110.66,65.23 v1(109.95,64.51) 99.13,64.51 98.69,64.06 85.5,64.06 85.22,63.79 81.18,63.79 80.79,63.4 U1.37
  Bottom w0.25: v1(110.3,125.22) 110.3,65.34 109.95,64.99 v1(109.95,64.51) ; v1(207.66,36) 207.66,36.53 208.48,37.34 208.48,49.95 209.04,50.52 209.04,52.93 208.7,53.26 208.7,64 v1(208.23,64.47)
A10: length 391.5
  Top w0.25: v1(111.1,122.52) 111.34,122.75 113.14,122.75 114.19,121.7 131.56,121.7 132.62,122.75 U4.26 137.22,121.65 157.98,121.65 U6.26 160.14,121.7 181,121.7 U8.26 183.11,121.7 203.98,121.7 205.03,122.75 ; U1.38 39.09,66.88 52.26,66.88 53.2,65.94 90.51,65.94 v1(90.57,66) ; v1(90.73,61.47) v1(110.45,61.47) 111.86,61.47 U3.24 114.13,61.63 135,61.63 U5.26 137.11,61.63 157.97,61.63 U7.26 160.08,61.63 180.94,61.63 U9.26 183.05,61.63 201.43,61.63 201.5,61.7 201.5,61.85 v1(201.38,61.97) 201.77,61.97 202.84,63.04 203.48,63.04 203.84,62.69 U11.26 ; v1(201.88,36.49) 207.07,36.49 207.62,37.04 209.07,35.59 219.83,35.59 219.88,35.54 228.98,35.54 U13.39
  Bottom w0.25: v1(201.38,61.97) 201.67,61.97 201.67,41.13 201.88,40.93 v1(201.88,36.49) ; v1(90.57,66) 90.97,65.6 90.97,61.71 v1(90.73,61.47) ; v1(110.45,61.47) 110.43,61.49 110.43,62.59 111.1,63.27 v1(111.1,122.52)
A11: length 380.5
  Top w0.25: v1(89.77,56.83) 90.41,56.19 98.87,56.19 100,55.06 U3.21 116.78,55.06 v1(116.8,55.09) 117.88,54.01 135,54.01 U5.23 137.28,53.84 157.8,53.84 U7.23 160.08,54.01 180.94,54.01 U9.23 183.05,54.01 203.92,54.01 U11.23 205.92,54.11 v1(205.97,54.11) ; U1.39 90.29,68.48 v1(90.3,68.49) ; U13.37 226.82,35.92 220.03,35.92 219.98,35.97 209.22,35.97 207.51,37.68 v1(206.85,37.68) ; 205.03,115.14 203.98,114.08 183.11,114.08 U8.23 181,114.08 160.14,114.08 U6.23 158.03,114.08 137.17,114.08 U4.23 125.1,115.14 124.05,114.08 118.87,114.08 117.53,115.41 v1(116.91,115.41) 116.64,115.14 U2.21
  Bottom w0.25: v1(205.97,54.11) 206.02,54.06 206.02,41.68 206.85,40.86 v1(206.85,37.68) ; v1(90.3,68.49) 89.8,67.99 89.8,65.68 90.15,65.33 90.15,64.7 89.9,64.44 89.9,56.95 v1(89.77,56.83) ; v1(116.8,55.09) 116.62,55.27 116.62,90.87 117.2,91.44 117.2,115.13 v1(116.91,115.41)
A12: length 371.2
  Top w0.25: 205.03,120.22 203.98,119.16 183.11,119.16 U8.25 181,119.16 160.14,119.16 U6.25 158.03,119.16 137.17,119.16 U4.25 129.94,120.22 128.89,119.16 118,119.16 v1(117.35,119.81) 116.95,120.22 113.14,120.22 ; v1(207.25,45.41) 211.47,45.41 211.79,45.09 214.15,45.09 214.52,45.46 220.56,45.46 221.53,44.5 U13.29 ; v1(206.68,59.22) 205.9,59.22 U11.25 203.92,59.09 183.05,59.09 U9.25 180.94,59.09 160.08,59.09 U7.25 157.87,58.99 137.21,58.99 U5.25 122.82,60.15 121.56,58.89 118.5,58.89 v1(117.43,59.97) 116.97,59.97 116.79,60.15 U3.23 112.12,60.15 111.75,59.77 99.56,59.77 98.86,59.07 89.42,59.07 v1(89.15,59.34) ; v1(89.2,69.56) 80.55,69.56 80.5,69.51 79.55,69.51 78.9,70.17 55.3,70.17 54.79,69.66 44.52,69.66 44.02,70.17 39,70.17 U1.40
  Bottom w0.25: v1(206.68,59.22) 207.25,58.64 207.25,52.78 207.11,52.64 207.11,45.55 v1(207.25,45.41) ; v1(89.2,69.56) 89.2,65.75 89.78,65.17 89.78,64.86 89.15,64.23 v1(89.15,59.34) ; v1(117.43,59.97) 117.43,69.77 117.28,69.92 117.28,70.56 117.43,70.71 117.43,91.14 117.58,91.29 117.58,115.03 117.97,115.43 117.97,116.07 117.43,116.62 117.43,119.74 v1(117.35,119.81)
A13: length 383.2
  Top w0.25: 97.9,130.38 103.87,130.38 v1(103.95,130.29) 104.92,129.32 119.82,129.32 U4.4 121.93,131.43 142.79,131.43 U6.4 144.9,131.43 165.76,131.43 U8.4 167.87,131.43 182.49,131.43 183.55,130.38 U10.4 ; U13.36 224.28,38.46 199.94,38.46 v1(198.57,37.09) ; v1(43.52,73.67) 43.41,73.56 U1.41 ; v1(44.63,71.18) 45.4,70.41 54.48,70.41 55.17,71.1 79.37,71.1 79.85,71.59 80.06,71.59 80.46,71.19 89.68,71.19 90,71.51 95.51,71.51 96.71,70.31 U3.2 103.79,70.31 v1(103.8,70.31) 104.86,69.25 119.76,69.25 U5.4 134.56,70.31 135.62,71.36 142.73,71.36 U7.4 144.9,71.42 165.65,71.42 U9.4 167.81,71.36 188.68,71.36 U11.4 197.74,70.31 v1(197.8,70.24)
  Bottom w0.25: v1(44.63,71.18) 44.58,71.18 43.6,72.17 43.6,73.59 v1(43.52,73.67) ; v1(198.57,37.09) 198.57,69.47 v1(197.8,70.24) ; v1(103.95,130.29) 103.95,70.47 v1(103.8,70.31)
A14: length 383.2
  Top w0.25: U1.42 43.46,76.1 v1(43.62,76.27) ; U13.75 246.9,68.56 205.77,68.56 U11.28 203.92,66.71 183.05,66.71 U9.28 180.94,66.71 160.08,66.71 U7.28 157.97,66.71 137.11,66.71 U5.28 135,66.71 114.13,66.71 113.08,67.77 107.98,67.77 v1(107.97,67.78) 106.9,66.71 93.4,66.71 89.84,70.27 80.73,70.27 80.35,69.89 79.7,69.89 79.05,70.54 55.14,70.54 54.63,70.04 44.68,70.04 43.6,71.11 v1(43.56,71.11) ; v1(109.43,127.87) 109.46,127.84 U2.26 114.19,126.78 135.06,126.78 U4.28 137.17,126.78 158.03,126.78 U6.28 160.14,126.78 181,126.78 U8.28 183.11,126.78 203.98,126.78 205.03,127.84
  Bottom w0.25: v1(109.43,127.87) 109.45,127.84 109.45,69.15 108.08,67.78 v1(107.97,67.78) ; v1(43.62,76.27) 43.62,74.87 42.74,73.99 42.74,73.35 43.22,72.87 43.22,71.45 v1(43.56,71.11)
A15: length 383
  Top w0.25: U10.3 187.81,132.92 186.33,134.4 168.3,134.4 U8.3 164.86,132.92 163.38,134.4 145.33,134.4 U6.3 142.42,134.34 140.48,134.34 140.43,134.4 139.55,134.4 139.5,134.34 139.03,134.34 138.7,134.02 134.02,134.02 133.77,133.77 121.72,133.77 U4.3 119.74,132.92 117.2,130.38 108.81,130.38 v1(108.6,130.17) ; v1(43.93,78.27) 43.55,78.64 U1.43 ; v1(118.05,70.24) 117.99,70.31 U3.27 111.87,71.52 v1(108.28,71.52) 96.04,71.52 95.67,71.88 89.84,71.88 89.52,71.56 80.62,71.56 80.22,71.96 79.69,71.96 79.24,71.51 69.84,71.51 69.84,71.52 55.05,71.52 54.72,71.19 v1(45.75,71.19) ; v1(251.6,73.59) 250.74,74.45 205.52,74.45 205.06,73.99 190.88,73.99 U11.3 188.28,74.3 168.21,74.3 U9.3 164.92,72.84 163.32,74.45 159.51,74.45 158.96,73.9 144.84,73.9 U7.3 141.82,72.84 140.57,74.1 122.07,74.1 U5.3 118.18,72.84 v1(118.12,72.79)
  Bottom w0.25: v1(118.05,70.24) 118.12,70.31 v1(118.12,72.79) ; U13.74 251.6,65.78 v1(251.6,73.59) ; v1(45.75,71.19) 45.07,71.87 44.43,71.87 43.98,72.32 43.98,72.97 44.28,73.27 44.28,76.7 44.1,76.89 44.1,78.09 v1(43.93,78.27) ; v1(108.28,71.52) 109.03,72.28 109.03,78.04 108.6,78.47 v1(108.6,130.17)
A16: length 431.6
  Top w0.25: v1(44.75,72.65) 44.96,72.44 46.33,72.44 46.98,73.09 54.85,73.09 55.18,72.77 72.4,72.77 72.42,72.74 73.63,72.74 74.38,73.49 75.02,73.49 75.63,72.88 80.56,72.88 80.72,72.72 81.39,72.72 81.79,73.12 89.52,73.12 89.79,72.84 U3.1 104.59,72.84 v1(104.75,72.69) ; v1(244.07,76.67) 242.79,75.39 U11.31 191.74,75.39 190.68,74.33 188.78,74.33 187.72,75.39 U9.31 168.76,75.39 167.71,74.33 163.97,74.33 162.91,75.39 U7.31 157.97,74.33 140.87,74.33 139.81,75.39 U5.31 122.82,75.39 121.57,74.14 104.88,74.14 v1(104.75,74.27) ; 205.03,135.46 203.98,134.4 186.86,134.4 185.8,135.46 U8.31 168.82,135.46 167.77,134.4 163.91,134.4 162.85,135.46 U6.31 145.85,135.46 144.8,134.4 142.89,134.4 141.84,135.46 U4.31 135.06,134.4 118.5,134.4 118.48,134.42 108.67,134.42 108.65,134.4 106.46,134.4 v1(104.62,132.56) 104.28,132.92 U2.1 ; v1(44.93,80.81) 44.56,81.18 U1.44 ; U13.56 249.64,42.97 v1(244.12,42.97)
  Bottom w0.25: v1(244.12,42.97) 244.12,64.02 244.37,64.26 244.37,76.37 v1(244.07,76.67) ; v1(44.75,72.65) 44.75,74.69 44.93,74.86 v1(44.93,80.81) ; v1(104.62,132.56) 104.75,132.44 v1(104.75,74.27) v1(104.75,72.69)
A17: length 460.1
  Top w0.25: v1(242.73,76.92) 242.25,76.44 190.78,76.44 U11.2 188.68,76.44 167.81,76.44 U9.2 165.7,76.44 144.84,76.44 U7.2 142.73,76.44 121.87,76.44 U5.2 98.92,75.39 97.9,74.37 97.01,74.37 96.98,74.34 91.21,74.34 90.98,74.11 89.72,74.11 89.32,74.51 81.75,74.51 81.66,74.6 80.71,74.6 80.62,74.51 75.6,74.51 75.49,74.62 73.91,74.62 73.8,74.51 69.02,74.51 68.94,74.59 55.92,74.59 55.12,75.39 46.54,75.39 v1(45.43,74.28) ; U1.45 45.3,83.72 v1(45.72,83.3) ; U13.57 243.22,41.96 v1(242.85,41.59) ; v1(46.65,134.77) 53.88,134.77 54.5,134.14 55.81,135.46 U4.2 121.93,136.51 142.79,136.51 U6.2 144.9,136.51 165.76,136.51 U8.2 167.87,136.51 188.74,136.51 U10.2
  Bottom w0.25: v1(46.65,134.77) 44.8,132.92 44.8,97.15 44.78,97.12 44.78,95.88 44.8,95.85 44.8,84.22 v1(45.72,83.3) 45.72,78.37 45.31,77.97 45.31,74.4 v1(45.43,74.28) ; v1(242.85,41.59) 242.85,63.28 243.99,64.42 243.99,75.65 v1(242.73,76.92)
A18: length 480.7
  Top w0.25: v1(45.69,73.12) 46.55,73.97 72.31,73.97 72.47,74.13 73.95,74.13 74.07,74.24 75.33,74.24 75.94,73.64 80.41,73.64 80.99,74.22 81.5,74.22 82.09,73.64 96.81,73.64 97.15,73.97 103.97,73.97 104.46,73.49 110.84,73.49 112.61,71.72 134.93,71.72 U5.30 137.11,71.79 157.97,71.79 U7.30 160.08,71.79 180.94,71.79 U9.30 183.05,71.79 199.87,71.79 200.17,72.09 v1(202.05,72.09) 202.83,72.09 203.65,72.91 203.72,72.84 U11.30 ; v1(119.05,130.99) 119.49,131.43 121.39,131.43 122.88,132.92 U4.30 137.17,131.86 158.03,131.86 U6.30 160.14,131.86 181,131.86 U8.30 183.54,131.43 203.54,131.43 205.03,132.92 ; U1.46 46.57,86.26 v1(46.7,86.39) ; v1(47.6,133.06) 47.78,132.89 58.75,132.89 59.72,133.87 v1(80.53,133.87) 89.75,133.87 92.03,131.59 106.38,131.59 108.82,134.04 118.32,134.04 v1(118.8,133.56) ; U13.31 221.68,40.94 204.52,40.94 204.27,40.69 v1(202.65,40.69)
  Bottom w0.25: v1(119.05,130.99) 119.05,131.31 118.8,131.56 v1(118.8,133.56) ; U12.81 77.18,115.14 78.25,116.2 78.25,117.08 78.12,117.2 78.12,121.84 80.53,124.24 v1(80.53,133.87) ; v1(47.6,133.06) 45.23,130.69 45.23,97.04 45.15,96.97 45.15,96.03 46.7,94.49 v1(46.7,86.39) 46.7,85.82 46.32,85.44 46.32,84.48 46.47,84.33 46.47,78.59 45.69,77.81 45.69,75.04 46.09,74.64 46.09,73.51 v1(45.69,73.12) ; v1(202.05,72.09) 202.65,71.49 v1(202.65,40.69)
